# KiCad board solderCurved.kicad_pcb (continued)
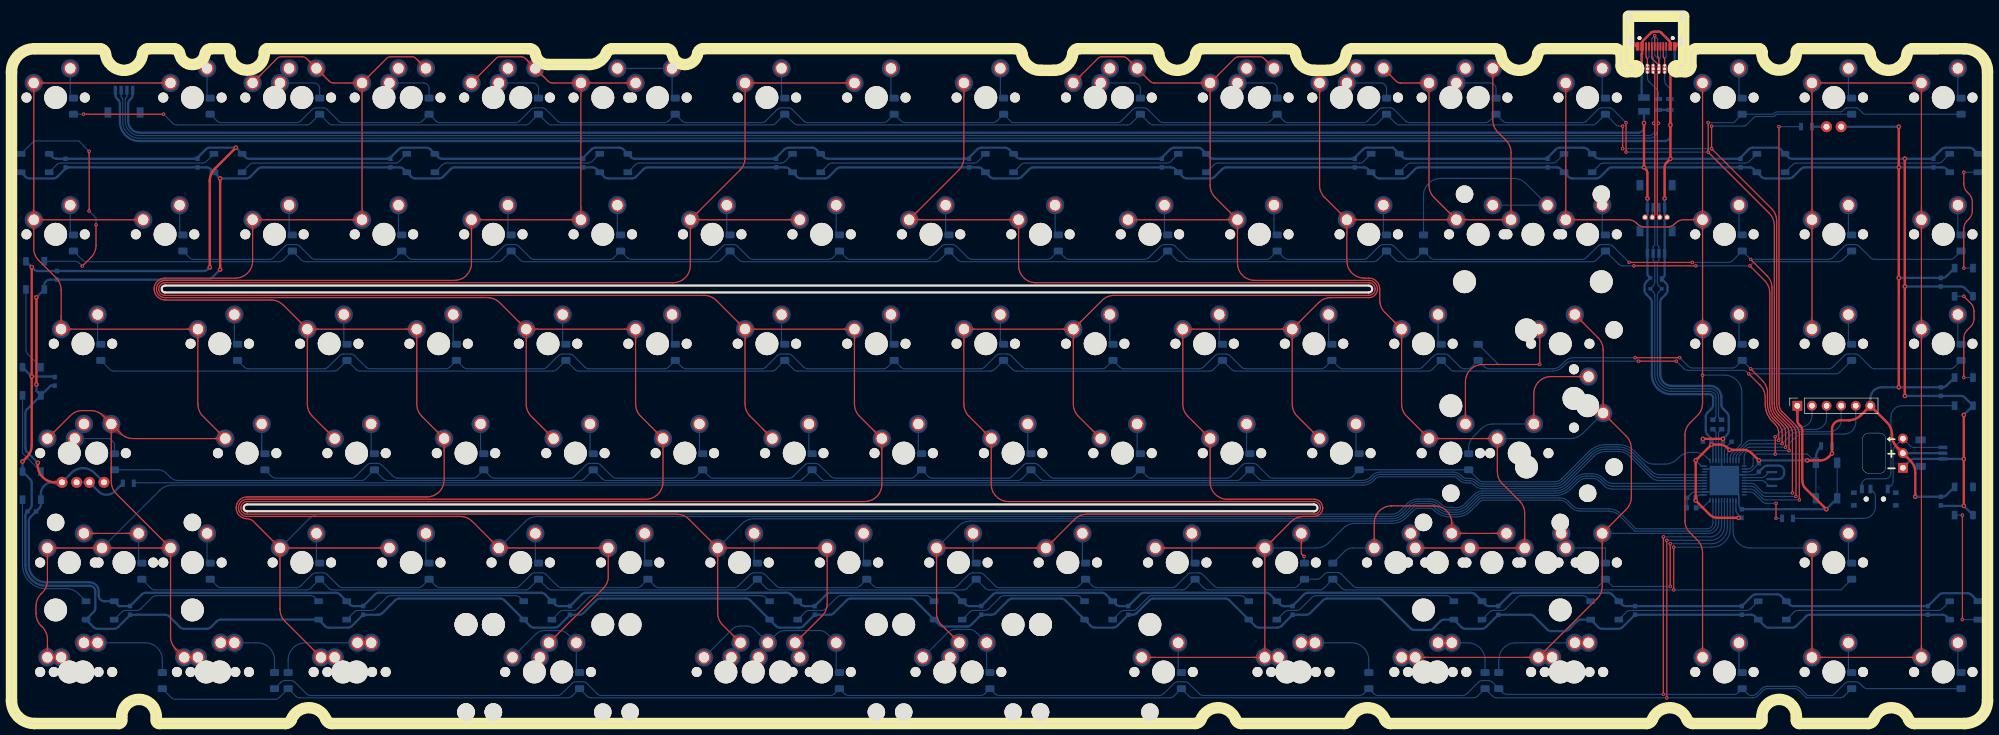
[diagram p0: board, top side]
## Copper pours and planes (outline as drawn; the poured copper is in the pictures) (continued)
R3 on Bottom: 246.72,81.5 246.38,82.47 245.6,82.49 245.61,81.71 246.58,81.36
R6 on Bottom: 62.4,43.26 63.37,43.61 63.39,44.39 62.61,44.37 62.26,43.4
R6 on Bottom: 140.29,43.4 139.94,44.37 139.16,44.39 139.18,43.61 140.14,43.26
R6 on Bottom: 138.6,43.26 139.57,43.61 139.59,44.39 138.81,44.37 138.46,43.4
R6 on Bottom: 176.7,43.26 177.67,43.61 177.69,44.39 176.91,44.37 176.56,43.4
R6 on Bottom: 102.19,43.4 101.84,44.37 101.06,44.39 101.08,43.61 102.04,43.26
R6 on Bottom: 216.49,43.4 216.14,44.37 215.36,44.39 215.38,43.61 216.34,43.26
R6 on Bottom: 19.12,44.27 18.19,44.71 17.63,44.17 18.19,43.63 19.12,44.07
R6 on Bottom: 64.09,43.4 63.74,44.37 62.96,44.39 62.98,43.61 63.94,43.26
R6 on Bottom: 100.5,43.26 101.47,43.61 101.49,44.39 100.71,44.37 100.36,43.4
R6 on Bottom: 214.8,43.26 215.77,43.61 215.79,44.39 215.01,44.37 214.66,43.4
R6 on Bottom: 178.39,43.4 178.04,44.37 177.26,44.39 177.28,43.61 178.24,43.26
R7 on Bottom: 235.81,44.27 234.88,44.71 234.32,44.17 234.88,43.63 235.81,44.07
R7 on Bottom: 254.59,43.4 254.24,44.37 253.46,44.39 253.48,43.61 254.44,43.26
R7 on Bottom: 121.24,43.4 120.89,44.37 120.11,44.39 120.13,43.61 121.09,43.26
R7 on Bottom: 252.48,44.07 253.41,43.63 253.97,44.17 253.41,44.71 252.48,44.27
R7 on Bottom: 195.75,43.26 196.72,43.61 196.74,44.39 195.96,44.37 195.61,43.4
R7 on Bottom: 197.44,43.4 197.09,44.37 196.31,44.39 196.33,43.61 197.29,43.26
R7 on Bottom: 159.34,43.4 158.99,44.37 158.21,44.39 158.23,43.61 159.19,43.26
R7 on Bottom: 119.55,43.26 120.52,43.61 120.54,44.39 119.76,44.37 119.41,43.4
R7 on Bottom: 233.85,43.26 234.82,43.61 234.84,44.39 234.06,44.37 233.71,43.4
R7 on Bottom: 157.65,43.26 158.62,43.61 158.64,44.39 157.86,44.37 157.51,43.4
R7 on Bottom: 81.45,43.26 82.42,43.61 82.44,44.39 81.66,44.37 81.31,43.4
R7 on Bottom: 45.04,43.4 44.69,44.37 43.91,44.39 43.93,43.61 44.89,43.26
R7 on Bottom: 83.14,43.4 82.79,44.37 82.01,44.39 82.03,43.61 82.99,43.26
R8 on Bottom: 206.96,24.35 206.61,25.32 205.84,25.34 205.85,24.56 206.82,24.21
R8 on Bottom: 319.58,24.21 320.54,24.56 320.56,25.34 319.78,25.32 319.44,24.35
R8 on Bottom: 229.25,24.21 230.22,24.56 230.24,25.34 229.46,25.32 229.11,24.35
R8 on Bottom: 54.56,24.35 54.21,25.32 53.44,25.34 53.45,24.56 54.42,24.21
R8 on Bottom: 168.86,24.35 168.51,25.32 167.74,25.34 167.75,24.56 168.72,24.21
R8 on Bottom: 205.28,24.21 206.24,24.56 206.26,25.34 205.48,25.32 205.14,24.35
R8 on Bottom: 167.18,24.21 168.14,24.56 168.16,25.34 167.38,25.32 167.04,24.35
R8 on Bottom: 92.66,24.35 92.31,25.32 91.54,25.34 91.55,24.56 92.52,24.21
R8 on Bottom: 52.88,24.21 53.84,24.56 53.86,25.34 53.08,25.32 52.74,24.35
R8 on Bottom: 129.08,24.21 130.04,24.56 130.06,25.34 129.28,25.32 128.94,24.35
R8 on Bottom: 23.6,24.35 23.26,25.32 22.48,25.34 22.49,24.56 23.46,24.21
R8 on Bottom: 130.76,24.35 130.41,25.32 129.64,25.34 129.65,24.56 130.62,24.21
R8 on Bottom: 90.98,24.21 91.94,24.56 91.96,25.34 91.18,25.32 90.84,24.35
R8 on Bottom: 230.94,24.35 230.59,25.32 229.81,25.34 229.83,24.56 230.8,24.21
R9 on Bottom: 226.29,25.22 225.36,25.66 224.8,25.12 225.36,24.58 226.29,25.02
R9 on Bottom: 187.91,24.35 187.56,25.32 186.79,25.34 186.8,24.56 187.77,24.21
R9 on Bottom: 186.23,24.21 187.19,24.56 187.21,25.34 186.43,25.32 186.09,24.35
R9 on Bottom: 111.71,24.35 111.36,25.32 110.59,25.34 110.6,24.56 111.57,24.21
R9 on Bottom: 73.61,24.35 73.26,25.32 72.49,25.34 72.5,24.56 73.47,24.21
R9 on Bottom: 71.93,24.21 72.89,24.56 72.91,25.34 72.13,25.32 71.79,24.35
R9 on Bottom: 149.81,24.35 149.46,25.32 148.69,25.34 148.7,24.56 149.67,24.21
R9 on Bottom: 278.4,24.35 278.05,25.32 277.27,25.34 277.29,24.56 278.26,24.21
R9 on Bottom: 110.03,24.21 110.99,24.56 111.01,25.34 110.23,25.32 109.89,24.35
R9 on Bottom: 276.71,24.21 277.68,24.56 277.7,25.34 276.92,25.32 276.57,24.35
R9 on Bottom: 35.51,24.35 35.16,25.32 34.39,25.34 34.4,24.56 35.37,24.21
R9 on Bottom: 148.13,24.21 149.09,24.56 149.11,25.34 148.33,25.32 147.99,24.35
R9 on Bottom: 224.33,24.21 225.29,24.56 225.31,25.34 224.53,25.32 224.19,24.35
R10 on Bottom: 49.08,5.3 48.73,6.27 47.96,6.29 47.97,5.51 48.94,5.16
R10 on Bottom: 98.12,5.16 99.09,5.51 99.1,6.29 98.33,6.27 97.98,5.3
R10 on Bottom: 27.18,5.3 26.83,6.27 26.05,6.29 26.07,5.51 27.03,5.16
R10 on Bottom: 99.8,5.3 99.46,6.27 98.68,6.29 98.69,5.51 99.66,5.16
R10 on Bottom: 47.4,5.16 48.36,5.51 48.38,6.29 47.6,6.27 47.26,5.3
R10 on Bottom: 255.76,5.16 256.72,5.51 256.74,6.29 255.96,6.27 255.62,5.3
R10 on Bottom: 257.44,5.3 257.09,6.27 256.32,6.29 256.33,5.51 257.3,5.16
R10 on Bottom: 319.58,5.16 320.54,5.51 320.56,6.29 319.78,6.27 319.44,5.3
R11 on Bottom: 145.05,5.3 144.7,6.27 143.92,6.29 143.94,5.51 144.91,5.16
R11 on Bottom: 302.21,5.3 301.86,6.27 301.09,6.29 301.1,5.51 302.07,5.16
R11 on Bottom: 338.21,5.97 339.14,5.53 339.7,6.07 339.14,6.61 338.21,6.17
R11 on Bottom: 46.56,6.99 45.59,6.64 45.57,5.86 46.35,5.88 46.7,6.85
R11 on Bottom: 258,6.85 258.34,5.88 259.12,5.86 259.11,6.64 258.14,6.99
R11 on Bottom: 300.09,4.99 300.15,5.01 301.41,5.48 301.51,6.29 300.73,6.27 300.51,5.47 300.49,5.44 300.46,5.4 300.44,5.38 300.41,5.35 300.38,5.32 300.34,5.3 300.31,5.27 300.26,5.25 300.22,5.23 300.17,5.22 300.11,5.2 300.05,5.19
R11 on Bottom: 169.56,5.16 170.53,5.51 170.54,6.29 169.76,6.27 169.42,5.3
R11 on Bottom: 237.2,5.3 236.85,6.27 236.07,6.29 236.09,5.51 237.06,5.16
R11 on Bottom: 235.52,5.16 236.48,5.51 236.5,6.29 235.72,6.27 235.37,5.3
R11 on Bottom: 260.16,5.19 260.1,5.2 260.04,5.22 259.99,5.23 259.94,5.25 259.9,5.27 259.86,5.3 259.83,5.32 259.8,5.35 259.77,5.38 259.74,5.4 259.72,5.44 259.7,5.47 259.48,6.27 258.7,6.29 258.8,5.48 260.05,5.01 260.12,4.99
R11 on Bottom: 171.24,5.3 170.9,6.27 170.12,6.29 170.13,5.51 171.1,5.16
R11 on Bottom: 143.36,5.16 144.33,5.51 144.35,6.29 143.57,6.27 143.22,5.3
RGB_UNDERGLOW on Bottom: 337.28,55.24 338.05,54.89 338.52,55.34 338.05,55.79 337.28,55.44
RST on Bottom: 314.23,44.32 314.62,45.17 314.13,45.69 313.63,45.17 314.03,44.32
RST on Bottom: 313.54,53.64 313.54,53.71 313.54,53.78 313.55,53.84 313.56,53.9 313.57,53.95 313.58,54 313.6,54.05 313.61,54.1 313.63,54.14 314.12,54.8 314.15,54.85 314.18,54.9 314.2,54.96 313.44,55.75 312.67,54.96 312.7,54.9 312.73,54.85 312.76,54.8 313.25,54.14 313.27,54.1 313.28,54.05 313.3,54 313.31,53.95 313.32,53.9 313.33,53.84 313.33,53.78 313.34,53.71 313.34,53.64
RST on Bottom: 314.03,40.3 313.63,39.45 314.13,38.94 314.62,39.45 314.23,40.3
RST on Bottom: 313.29,46.11 313.61,45.23 314.32,45.22 314.31,45.93 313.43,46.25
RST on Bottom: 313.98,46.75 313.63,45.65 314.13,45.14 314.62,45.65 314.38,46.68
SCK on Bottom: 211.72,62.45 211.38,63.42 210.6,63.44 210.61,62.66 211.58,62.31
SCK on Bottom: 57.64,62.31 58.61,62.66 58.62,63.44 57.84,63.42 57.5,62.45
SCK on Bottom: 319.58,62.31 320.54,62.66 320.56,63.44 319.78,63.42 319.44,62.45
SCK on Bottom: 248.14,62.31 249.11,62.66 249.12,63.44 248.34,63.42 248,62.45
SCK on Bottom: 95.74,62.31 96.71,62.66 96.72,63.44 95.94,63.42 95.6,62.45
SCK on Bottom: 133.84,62.31 134.81,62.66 134.82,63.44 134.04,63.42 133.7,62.45
SCK on Bottom: 210.04,62.31 211.01,62.66 211.02,63.44 210.24,63.42 209.9,62.45
SCK on Bottom: 316.08,53.64 316.08,53.71 316.08,53.78 316.09,53.84 316.1,53.9 316.11,53.95 316.12,54 316.14,54.05 316.15,54.1 316.17,54.14 316.66,54.8 316.69,54.85 316.72,54.9 316.74,54.96 315.98,55.75 315.21,54.96 315.24,54.9 315.27,54.85 315.3,54.8 315.79,54.14 315.81,54.1 315.82,54.05 315.84,54 315.85,53.95 315.86,53.9 315.87,53.84 315.87,53.78 315.88,53.71 315.88,53.64
SCK on Bottom: 249.82,62.45 249.48,63.42 248.7,63.44 248.71,62.66 249.68,62.31
SCK on Bottom: 59.32,62.45 58.98,63.42 58.2,63.44 58.21,62.66 59.18,62.31
SCK on Bottom: 171.94,62.31 172.91,62.66 172.92,63.44 172.14,63.42 171.8,62.45
SCK on Bottom: 97.42,62.45 97.08,63.42 96.3,63.44 96.31,62.66 97.28,62.31
SCK on Bottom: 16.46,62.45 16.11,63.42 15.34,63.44 15.35,62.66 16.32,62.31
SCK on Bottom: 173.62,62.45 173.28,63.42 172.5,63.44 172.51,62.66 173.48,62.31
SCK on Bottom: 135.52,62.45 135.18,63.42 134.4,63.44 134.41,62.66 135.38,62.31
Net-(D1-Pad2) on Bottom: 10.33,110.88 10.33,111.01 10.34,111.14 10.35,111.26 10.37,111.37 10.39,111.47 10.41,111.57 10.44,111.66 10.48,111.74 10.51,111.82 10.55,111.9 10.59,111.97 10.64,112.04 10.69,112.1 10.74,112.17 10.79,112.23 10.84,112.29 11.13,112.6 11.19,112.66 11.26,112.73 11.32,112.81 11.38,112.89 11.44,112.97 11.5,113.06 11.55,113.16 11.61,113.26 11.67,113.37 10.23,114.87 8.79,113.37 8.84,113.26 8.9,113.16 8.96,113.06 9.02,112.97 9.08,112.89 9.14,112.81 9.2,112.73 9.26,112.66 9.32,112.6 9.61,112.29 9.66,112.23 9.72,112.17 9.77,112.1 9.81,112.04 9.86,111.97 9.9,111.9 9.94,111.82 9.98,111.74 10.01,111.66 10.04,111.57 10.07,111.47 10.09,111.37 10.1,111.26 10.12,111.14 10.12,111.01 10.13,110.88
Net-(D1-Pad2) on Bottom: 10.33,111.68 10.33,111.78 10.33,111.87 10.34,111.96 10.36,112.05 10.37,112.12 10.39,112.19 10.41,112.26 10.43,112.33 10.46,112.39 10.49,112.44 10.52,112.5 10.55,112.55 10.59,112.6 10.62,112.64 11,113.07 11.05,113.13 11.09,113.19 11.14,113.25 11.18,113.31 11.22,113.39 11.27,113.46 11.31,113.54 10.23,114.67 9.15,113.54 9.19,113.46 9.23,113.39 9.27,113.31 9.32,113.25 9.36,113.19 9.41,113.13 9.45,113.07 9.83,112.64 9.86,112.6 9.9,112.55 9.93,112.5 9.96,112.44 9.99,112.39 10.02,112.33 10.04,112.26 10.06,112.19 10.08,112.12 10.1,112.05 10.11,111.96 10.12,111.87 10.12,111.78 10.13,111.68
Net-(D2-Pad2) on Bottom: 10.33,87.86 10.33,87.97 10.33,88.06 10.34,88.15 10.36,88.23 10.37,88.31 10.39,88.38 10.41,88.45 10.43,88.51 10.46,88.57 10.49,88.63 10.52,88.68 10.55,88.73 10.59,88.78 10.62,88.83 11,89.26 11.05,89.31 11.09,89.37 11.14,89.44 11.18,89.5 11.22,89.57 11.27,89.65 11.31,89.73 10.23,90.85 9.15,89.73 9.19,89.65 9.23,89.57 9.27,89.5 9.32,89.44 9.36,89.37 9.41,89.31 9.45,89.26 9.83,88.83 9.86,88.78 9.9,88.73 9.93,88.68 9.96,88.63 9.99,88.57 10.02,88.51 10.04,88.45 10.06,88.38 10.08,88.31 10.1,88.23 10.11,88.15 10.12,88.06 10.12,87.97 10.13,87.86
Net-(D2-Pad2) on Bottom: 10.33,87.06 10.33,87.2 10.34,87.33 10.35,87.45 10.37,87.56 10.39,87.66 10.41,87.76 10.44,87.85 10.48,87.93 10.51,88.01 10.55,88.09 10.59,88.16 10.64,88.23 10.69,88.29 10.74,88.35 10.79,88.41 10.84,88.48 11.13,88.78 11.19,88.85 11.26,88.92 11.32,89 11.38,89.08 11.44,89.16 11.5,89.25 11.55,89.34 11.61,89.45 11.67,89.56 10.23,91.05 8.79,89.56 8.84,89.45 8.9,89.34 8.96,89.25 9.02,89.16 9.08,89.08 9.14,89 9.2,88.92 9.26,88.85 9.32,88.78 9.61,88.48 9.66,88.41 9.72,88.35 9.77,88.29 9.81,88.23 9.86,88.16 9.9,88.09 9.94,88.01 9.98,87.93 10.01,87.85 10.04,87.76 10.07,87.66 10.09,87.56 10.1,87.45 10.12,87.33 10.12,87.2 10.13,87.06
Net-(D3-Pad2) on Bottom: 15.09,68.81 15.09,68.92 15.1,69.01 15.11,69.1 15.12,69.18 15.13,69.26 15.15,69.33 15.17,69.4 15.2,69.46 15.22,69.52 15.25,69.58 15.28,69.63 15.32,69.68 15.35,69.73 15.39,69.78 15.77,70.21 15.81,70.26 15.85,70.32 15.9,70.39 15.94,70.45 15.99,70.52 16.03,70.6 16.07,70.68 14.99,71.8 13.91,70.68 13.95,70.6 13.99,70.52 14.04,70.45 14.08,70.39 14.12,70.32 14.17,70.26 14.21,70.21 14.59,69.78 14.63,69.73 14.66,69.68 14.69,69.63 14.73,69.58 14.75,69.52 14.78,69.46 14.81,69.4 14.83,69.33 14.84,69.26 14.86,69.18 14.87,69.1 14.88,69.01 14.89,68.92 14.89,68.81
Net-(D3-Pad2) on Bottom: 15.09,68.01 15.09,68.15 15.1,68.28 15.11,68.4 15.13,68.51 15.15,68.61 15.18,68.71 15.2,68.8 15.24,68.88 15.27,68.96 15.31,69.04 15.36,69.11 15.4,69.18 15.45,69.24 15.5,69.3 15.55,69.36 15.61,69.43 15.9,69.73 15.96,69.8 16.02,69.87 16.08,69.95 16.14,70.03 16.2,70.11 16.26,70.2 16.32,70.29 16.37,70.4 16.43,70.51 14.99,72 13.55,70.51 13.6,70.4 13.66,70.29 13.72,70.2 13.78,70.11 13.84,70.03 13.9,69.95 13.96,69.87 14.02,69.8 14.08,69.73 14.37,69.43 14.43,69.36 14.48,69.3 14.53,69.24 14.58,69.18 14.62,69.11 14.66,69.04 14.7,68.96 14.74,68.88 14.77,68.8 14.8,68.71 14.83,68.61 14.85,68.51 14.87,68.4 14.88,68.28 14.89,68.15 14.89,68.01
Net-(D4-Pad2) on Bottom: 17.83,48.16 17.39,47.24 17.93,46.67 18.47,47.24 18.03,48.16
Net-(D4-Pad2) on Bottom: 14.21,49.71 14.07,49.72 13.95,49.72 13.83,49.74 13.72,49.75 13.61,49.78 13.52,49.8 13.43,49.83 13.34,49.86 13.26,49.9 13.19,49.94 13.12,49.98 13.05,50.03 12.98,50.08 12.92,50.13 12.86,50.18 12.8,50.23 12.49,50.52 12.42,50.58 12.35,50.64 12.28,50.7 12.2,50.76 12.12,50.82 12.03,50.88 11.93,50.94 11.83,51 11.72,51.05 10.22,49.61 11.72,48.17 11.83,48.23 11.93,48.29 12.03,48.35 12.12,48.41 12.2,48.47 12.28,48.53 12.35,48.59 12.42,48.65 12.49,48.71 12.8,49 12.86,49.05 12.92,49.1 12.98,49.15 13.05,49.2 13.12,49.25 13.19,49.29 13.26,49.33 13.34,49.37 13.43,49.4 13.52,49.43 13.61,49.45 13.72,49.47 13.83,49.49 13.95,49.5 14.07,49.51 14.21,49.51
Net-(D4-Pad2) on Bottom: 13.41,49.71 13.31,49.72 13.21,49.72 13.12,49.73 13.04,49.74 12.96,49.76 12.89,49.78 12.82,49.8 12.76,49.82 12.7,49.85 12.65,49.88 12.59,49.91 12.54,49.94 12.49,49.98 12.44,50.01 12.02,50.39 11.96,50.44 11.9,50.48 11.84,50.52 11.77,50.57 11.7,50.61 11.63,50.65 11.54,50.69 10.42,49.61 11.54,48.53 11.63,48.58 11.7,48.62 11.77,48.66 11.84,48.71 11.9,48.75 11.96,48.79 12.02,48.84 12.44,49.22 12.49,49.25 12.54,49.29 12.59,49.32 12.65,49.35 12.7,49.38 12.76,49.41 12.82,49.43 12.89,49.45 12.96,49.47 13.04,49.49 13.12,49.5 13.21,49.51 13.31,49.51 13.41,49.51
Net-(D5-Pad2) on Top: 15,33.2 14.9,33.21 14.8,33.21 14.71,33.22 14.63,33.23 14.55,33.25 14.48,33.27 14.41,33.29 14.35,33.31 14.29,33.34 14.23,33.37 14.18,33.4 14.13,33.43 14.08,33.47 14.03,33.5 13.6,33.88 13.55,33.93 13.49,33.97 13.43,34.01 13.36,34.06 13.29,34.1 13.21,34.14 13.13,34.18 12.01,33.1 13.13,32.02 13.21,32.07 13.29,32.11 13.36,32.15 13.43,32.2 13.49,32.24 13.55,32.28 13.6,32.33 14.03,32.71 14.08,32.74 14.13,32.78 14.18,32.81 14.23,32.84 14.29,32.87 14.35,32.9 14.41,32.92 14.48,32.94 14.55,32.96 14.63,32.98 14.71,32.99 14.8,33 14.9,33 15,33
Net-(D5-Pad2) on Top: 19.74,33 19.84,33 19.94,33 20.03,32.99 20.11,32.98 20.19,32.96 20.26,32.94 20.33,32.92 20.39,32.9 20.45,32.87 20.51,32.84 20.56,32.81 20.61,32.78 20.66,32.74 20.71,32.71 21.14,32.33 21.19,32.28 21.25,32.24 21.31,32.2 21.38,32.15 21.45,32.11 21.53,32.07 21.61,32.02 22.73,33.1 21.61,34.18 21.53,34.14 21.45,34.1 21.38,34.06 21.31,34.01 21.25,33.97 21.19,33.93 21.14,33.88 20.71,33.5 20.66,33.47 20.61,33.43 20.56,33.4 20.51,33.37 20.45,33.34 20.39,33.31 20.33,33.29 20.26,33.27 20.19,33.25 20.11,33.23 20.03,33.22 19.94,33.21 19.84,33.21 19.74,33.2
Net-(D5-Pad2) on Bottom: 22.23,29.91 22.24,30.05 22.24,30.18 22.26,30.3 22.27,30.41 22.29,30.51 22.32,30.61 22.35,30.7 22.38,30.78 22.42,30.86 22.46,30.94 22.5,31.01 22.55,31.08 22.59,31.14 22.64,31.2 22.7,31.26 22.75,31.33 23.04,31.63 23.1,31.7 23.16,31.77 23.22,31.85 23.28,31.93 23.34,32.01 23.4,32.1 23.46,32.19 23.52,32.3 23.57,32.41 22.13,33.9 20.69,32.41 20.75,32.3 20.81,32.19 20.86,32.1 20.92,32.01 20.98,31.93 21.04,31.85 21.1,31.77 21.16,31.7 21.23,31.63 21.52,31.33 21.57,31.26 21.62,31.2 21.67,31.14 21.72,31.08 21.77,31.01 21.81,30.94 21.85,30.86 21.88,30.78 21.92,30.7 21.95,30.61 21.97,30.51 21.99,30.41 22.01,30.3 22.02,30.18 22.03,30.05 22.03,29.91
Net-(D5-Pad2) on Bottom: 22.23,30.71 22.23,30.82 22.24,30.91 22.25,31 22.26,31.08 22.28,31.16 22.3,31.23 22.32,31.3 22.34,31.36 22.37,31.42 22.4,31.48 22.43,31.53 22.46,31.58 22.49,31.63 22.53,31.68 22.91,32.11 22.95,32.16 23,32.22 23.04,32.29 23.09,32.35 23.13,32.42 23.17,32.5 23.21,32.58 22.13,33.7 21.05,32.58 21.09,32.5 21.14,32.42 21.18,32.35 21.22,32.29 21.27,32.22 21.31,32.16 21.36,32.11 21.73,31.68 21.77,31.63 21.81,31.58 21.84,31.53 21.87,31.48 21.9,31.42 21.92,31.36 21.95,31.3 21.97,31.23 21.99,31.16 22,31.08 22.02,31 22.03,30.91 22.03,30.82 22.03,30.71
Net-(D6-Pad2) on Bottom: 18.18,14.15 18.04,14.16 17.91,14.16 17.8,14.18 17.69,14.19 17.58,14.22 17.49,14.24 17.4,14.27 17.31,14.3 17.23,14.34 17.16,14.38 17.09,14.42 17.02,14.47 16.95,14.52 16.89,14.57 16.83,14.62 16.77,14.67 16.46,14.96 16.39,15.02 16.32,15.08 16.25,15.14 16.17,15.2 16.08,15.26 15.99,15.32 15.9,15.38 15.8,15.44 15.69,15.49 14.19,14.05 15.69,12.61 15.8,12.67 15.9,12.73 15.99,12.79 16.08,12.85 16.17,12.91 16.25,12.97 16.32,13.03 16.39,13.09 16.46,13.15 16.77,13.44 16.83,13.49 16.89,13.54 16.95,13.59 17.02,13.64 17.09,13.69 17.16,13.73 17.23,13.77 17.31,13.81 17.4,13.84 17.49,13.87 17.58,13.89 17.69,13.91 17.8,13.93 17.91,13.94 18.04,13.95 18.18,13.95
Net-(D6-Pad2) on Bottom: 17.38,14.15 17.28,14.16 17.18,14.16 17.09,14.17 17.01,14.18 16.93,14.2 16.86,14.22 16.79,14.24 16.73,14.26 16.67,14.29 16.61,14.32 16.56,14.35 16.51,14.38 16.46,14.42 16.41,14.45 15.99,14.83 15.93,14.88 15.87,14.92 15.81,14.96 15.74,15.01 15.67,15.05 15.59,15.09 15.51,15.13 14.39,14.05 15.51,12.97 15.59,13.02 15.67,13.06 15.74,13.1 15.81,13.15 15.87,13.19 15.93,13.23 15.99,13.28 16.41,13.66 16.46,13.69 16.51,13.73 16.56,13.76 16.61,13.79 16.67,13.82 16.73,13.85 16.79,13.87 16.86,13.89 16.93,13.91 17.01,13.93 17.09,13.94 17.18,13.95 17.28,13.95 17.38,13.95
Net-(D6-Pad2) on Bottom: 26.16,10.06 25.72,9.14 26.26,8.57 26.8,9.14 26.36,10.06
Net-(D7-Pad2) on Bottom: 34.14,110.88 34.14,111.01 34.15,111.14 34.16,111.26 34.18,111.37 34.2,111.47 34.23,111.57 34.25,111.66 34.29,111.74 34.32,111.82 34.36,111.9 34.41,111.97 34.45,112.04 34.5,112.1 34.55,112.17 34.6,112.23 34.66,112.29 34.95,112.6 35.01,112.66 35.07,112.73 35.13,112.81 35.19,112.89 35.25,112.97 35.31,113.06 35.37,113.16 35.42,113.26 35.48,113.37 34.04,114.87 32.6,113.37 32.65,113.26 32.71,113.16 32.77,113.06 32.83,112.97 32.89,112.89 32.95,112.81 33.01,112.73 33.07,112.66 33.13,112.6 33.42,112.29 33.48,112.23 33.53,112.17 33.58,112.1 33.63,112.04 33.67,111.97 33.71,111.9 33.75,111.82 33.79,111.74 33.82,111.66 33.85,111.57 33.88,111.47 33.9,111.37 33.92,111.26 33.93,111.14 33.94,111.01 33.94,110.88
Net-(D7-Pad2) on Bottom: 34.14,111.68 34.14,111.78 34.15,111.87 34.16,111.96 34.17,112.05 34.18,112.12 34.2,112.19 34.22,112.26 34.25,112.33 34.27,112.39 34.3,112.44 34.33,112.5 34.37,112.55 34.4,112.6 34.44,112.64 34.82,113.07 34.86,113.13 34.9,113.19 34.95,113.25 34.99,113.31 35.04,113.39 35.08,113.46 35.12,113.54 34.04,114.67 32.96,113.54 33,113.46 33.04,113.39 33.09,113.31 33.13,113.25 33.17,113.19 33.22,113.13 33.26,113.07 33.64,112.64 33.68,112.6 33.71,112.55 33.74,112.5 33.78,112.44 33.8,112.39 33.83,112.33 33.86,112.26 33.88,112.19 33.89,112.12 33.91,112.05 33.92,111.96 33.93,111.87 33.94,111.78 33.94,111.68
Net-(D8-Pad2) on Bottom: 29.38,87.86 29.38,87.97 29.38,88.06 29.39,88.15 29.41,88.23 29.42,88.31 29.44,88.38 29.46,88.45 29.48,88.51 29.51,88.57 29.54,88.63 29.57,88.68 29.6,88.73 29.64,88.78 29.67,88.83 30.05,89.26 30.1,89.31 30.14,89.37 30.19,89.44 30.23,89.5 30.27,89.57 30.32,89.65 30.36,89.73 29.28,90.85 28.2,89.73 28.24,89.65 28.28,89.57 28.32,89.5 28.37,89.44 28.41,89.37 28.46,89.31 28.5,89.26 28.88,88.83 28.91,88.78 28.95,88.73 28.98,88.68 29.01,88.63 29.04,88.57 29.07,88.51 29.09,88.45 29.11,88.38 29.13,88.31 29.15,88.23 29.16,88.15 29.17,88.06 29.17,87.97 29.18,87.86
Net-(D8-Pad2) on Bottom: 29.38,87.06 29.38,87.2 29.39,87.33 29.4,87.45 29.42,87.56 29.44,87.66 29.46,87.76 29.49,87.85 29.53,87.93 29.56,88.01 29.6,88.09 29.64,88.16 29.69,88.23 29.74,88.29 29.79,88.35 29.84,88.41 29.89,88.48 30.18,88.78 30.24,88.85 30.31,88.92 30.37,89 30.43,89.08 30.49,89.16 30.55,89.25 30.6,89.34 30.66,89.45 30.72,89.56 29.28,91.05 27.84,89.56 27.89,89.45 27.95,89.34 28.01,89.25 28.07,89.16 28.13,89.08 28.19,89 28.25,88.92 28.31,88.85 28.37,88.78 28.66,88.48 28.71,88.41 28.77,88.35 28.82,88.29 28.86,88.23 28.91,88.16 28.95,88.09 28.99,88.01 29.03,87.93 29.06,87.85 29.09,87.76 29.12,87.66 29.14,87.56 29.15,87.45 29.17,87.33 29.17,87.2 29.18,87.06
Net-(D9-Pad2) on Bottom: 38.9,68.81 38.9,68.92 38.91,69.01 38.92,69.1 38.93,69.18 38.95,69.26 38.96,69.33 38.99,69.4 39.01,69.46 39.04,69.52 39.06,69.58 39.1,69.63 39.13,69.68 39.16,69.73 39.2,69.78 39.58,70.21 39.62,70.26 39.67,70.32 39.71,70.39 39.75,70.45 39.8,70.52 39.84,70.6 39.88,70.68 38.8,71.8 37.72,70.68 37.76,70.6 37.81,70.52 37.85,70.45 37.89,70.39 37.94,70.32 37.98,70.26 38.03,70.21 38.4,69.78 38.44,69.73 38.47,69.68 38.51,69.63 38.54,69.58 38.57,69.52 38.59,69.46 38.62,69.4 38.64,69.33 38.66,69.26 38.67,69.18 38.69,69.1 38.69,69.01 38.7,68.92 38.7,68.81
Net-(D9-Pad2) on Bottom: 38.9,68.01 38.9,68.15 38.91,68.28 38.92,68.4 38.94,68.51 38.96,68.61 38.99,68.71 39.02,68.8 39.05,68.88 39.09,68.96 39.13,69.04 39.17,69.11 39.21,69.18 39.26,69.24 39.31,69.3 39.36,69.36 39.42,69.43 39.71,69.73 39.77,69.8 39.83,69.87 39.89,69.95 39.95,70.03 40.01,70.11 40.07,70.2 40.13,70.29 40.19,70.4 40.24,70.51 38.8,72 37.36,70.51 37.42,70.4 37.47,70.29 37.53,70.2 37.59,70.11 37.65,70.03 37.71,69.95 37.77,69.87 37.83,69.8 37.89,69.73 38.18,69.43 38.24,69.36 38.29,69.3 38.34,69.24 38.39,69.18 38.43,69.11 38.48,69.04 38.52,68.96 38.55,68.88 38.59,68.8 38.62,68.71 38.64,68.61 38.66,68.51 38.68,68.4 38.69,68.28 38.7,68.15 38.7,68.01
Net-(D10-Pad2) on Bottom: 43.66,49.76 43.67,49.87 43.67,49.96 43.68,50.05 43.69,50.13 43.71,50.21 43.73,50.28 43.75,50.35 43.77,50.41 43.8,50.47 43.83,50.53 43.86,50.58 43.89,50.63 43.93,50.68 43.96,50.73 44.34,51.16 44.38,51.21 44.43,51.27 44.47,51.34 44.52,51.4 44.56,51.47 44.6,51.55 44.64,51.63 43.56,52.75 42.48,51.63 42.53,51.55 42.57,51.47 42.61,51.4 42.65,51.34 42.7,51.27 42.74,51.21 42.79,51.16 43.17,50.73 43.2,50.68 43.24,50.63 43.27,50.58 43.3,50.53 43.33,50.47 43.36,50.41 43.38,50.35 43.4,50.28 43.42,50.21 43.44,50.13 43.45,50.05 43.46,49.96 43.46,49.87 43.46,49.76
Net-(D10-Pad2) on Bottom: 43.66,48.96 43.67,49.1 43.67,49.23 43.69,49.35 43.7,49.46 43.73,49.56 43.75,49.66 43.78,49.75 43.81,49.83 43.85,49.91 43.89,49.99 43.93,50.06 43.98,50.13 44.02,50.19 44.08,50.25 44.13,50.31 44.18,50.38 44.47,50.68 44.53,50.75 44.59,50.82 44.65,50.9 44.71,50.98 44.77,51.06 44.83,51.15 44.89,51.24 44.95,51.35 45,51.46 43.56,52.95 42.12,51.46 42.18,51.35 42.24,51.24 42.3,51.15 42.35,51.06 42.41,50.98 42.47,50.9 42.54,50.82 42.6,50.75 42.66,50.68 42.95,50.38 43,50.31 43.05,50.25 43.1,50.19 43.15,50.13 43.2,50.06 43.24,49.99 43.28,49.91 43.32,49.83 43.35,49.75 43.38,49.66 43.4,49.56 43.42,49.46 43.44,49.35 43.45,49.23 43.46,49.1 43.46,48.96
Net-(D11-Pad2) on Bottom: 34.14,29.91 34.14,30.05 34.15,30.18 34.16,30.3 34.18,30.41 34.2,30.51 34.23,30.61 34.25,30.7 34.29,30.78 34.32,30.86 34.36,30.94 34.41,31.01 34.45,31.08 34.5,31.14 34.55,31.2 34.6,31.26 34.66,31.33 34.95,31.63 35.01,31.7 35.07,31.77 35.13,31.85 35.19,31.93 35.25,32.01 35.31,32.1 35.37,32.19 35.42,32.3 35.48,32.41 34.04,33.9 32.6,32.41 32.65,32.3 32.71,32.19 32.77,32.1 32.83,32.01 32.89,31.93 32.95,31.85 33.01,31.77 33.07,31.7 33.13,31.63 33.42,31.33 33.48,31.26 33.53,31.2 33.58,31.14 33.63,31.08 33.67,31.01 33.71,30.94 33.75,30.86 33.79,30.78 33.82,30.7 33.85,30.61 33.88,30.51 33.9,30.41 33.92,30.3 33.93,30.18 33.94,30.05 33.94,29.91
Net-(D11-Pad2) on Bottom: 34.14,30.71 34.14,30.82 34.15,30.91 34.16,31 34.17,31.08 34.18,31.16 34.2,31.23 34.22,31.3 34.25,31.36 34.27,31.42 34.3,31.48 34.33,31.53 34.37,31.58 34.4,31.63 34.44,31.68 34.82,32.11 34.86,32.16 34.9,32.22 34.95,32.29 34.99,32.35 35.04,32.42 35.08,32.5 35.12,32.58 34.04,33.7 32.96,32.58 33,32.5 33.04,32.42 33.09,32.35 33.13,32.29 33.17,32.22 33.22,32.16 33.26,32.11 33.64,31.68 33.68,31.63 33.71,31.58 33.74,31.53 33.78,31.48 33.8,31.42 33.83,31.36 33.86,31.3 33.88,31.23 33.89,31.16 33.91,31.08 33.92,31 33.93,30.91 33.94,30.82 33.94,30.71
Net-(D12-Pad2) on Bottom: 45.69,10.06 45.25,9.14 45.79,8.57 46.33,9.14 45.89,10.06
Net-(D12-Pad2) on Bottom: 41.19,14.15 41.09,14.16 40.99,14.16 40.91,14.17 40.82,14.18 40.75,14.2 40.67,14.22 40.61,14.24 40.54,14.26 40.48,14.29 40.43,14.32 40.37,14.35 40.32,14.38 40.27,14.42 40.23,14.45 39.8,14.83 39.74,14.88 39.68,14.92 39.62,14.96 39.55,15.01 39.48,15.05 39.41,15.09 39.32,15.13 38.2,14.05 39.32,12.97 39.41,13.02 39.48,13.06 39.55,13.1 39.62,13.15 39.68,13.19 39.74,13.23 39.8,13.28 40.23,13.66 40.27,13.69 40.32,13.73 40.37,13.76 40.43,13.79 40.48,13.82 40.54,13.85 40.61,13.87 40.67,13.89 40.75,13.91 40.82,13.93 40.91,13.94 40.99,13.95 41.09,13.95 41.19,13.95
Net-(D12-Pad2) on Bottom: 41.99,14.15 41.85,14.16 41.73,14.16 41.61,14.18 41.5,14.19 41.39,14.22 41.3,14.24 41.21,14.27 41.12,14.3 41.04,14.34 40.97,14.38 40.9,14.42 40.83,14.47 40.77,14.52 40.7,14.57 40.64,14.62 40.58,14.67 40.27,14.96 40.2,15.02 40.13,15.08 40.06,15.14 39.98,15.2 39.9,15.26 39.81,15.32 39.71,15.38 39.61,15.44 39.5,15.49 38,14.05 39.5,12.61 39.61,12.67 39.71,12.73 39.81,12.79 39.9,12.85 39.98,12.91 40.06,12.97 40.13,13.03 40.2,13.09 40.27,13.15 40.58,13.44 40.64,13.49 40.7,13.54 40.77,13.59 40.83,13.64 40.9,13.69 40.97,13.73 41.04,13.77 41.12,13.81 41.21,13.84 41.3,13.87 41.39,13.89 41.5,13.91 41.61,13.93 41.73,13.94 41.85,13.95 41.99,13.95
Net-(D13-Pad2) on Bottom: 49.93,111.63 49.79,111.63 49.66,111.64 49.55,111.65 49.44,111.67 49.33,111.69 49.24,111.71 49.15,111.74 49.06,111.78 48.98,111.81 48.91,111.85 48.84,111.89 48.77,111.94 48.7,111.99 48.64,112.04 48.58,112.09 48.52,112.14 48.21,112.43 48.14,112.49 48.07,112.56 48,112.62 47.92,112.68 47.83,112.74 47.74,112.8 47.65,112.85 47.55,112.91 47.44,112.97 45.94,111.53 47.44,110.09 47.55,110.14 47.65,110.2 47.74,110.26 47.83,110.32 47.92,110.38 48,110.44 48.07,110.5 48.14,110.56 48.21,110.62 48.52,110.91 48.58,110.96 48.64,111.02 48.7,111.07 48.77,111.11 48.84,111.16 48.91,111.2 48.98,111.24 49.06,111.28 49.15,111.31 49.24,111.34 49.33,111.37 49.44,111.39 49.55,111.4 49.66,111.42 49.79,111.42 49.93,111.43